# Altium PCB EDA-03518-V3-0_pcb.pcbdoc (part 5 of 14) (continued)
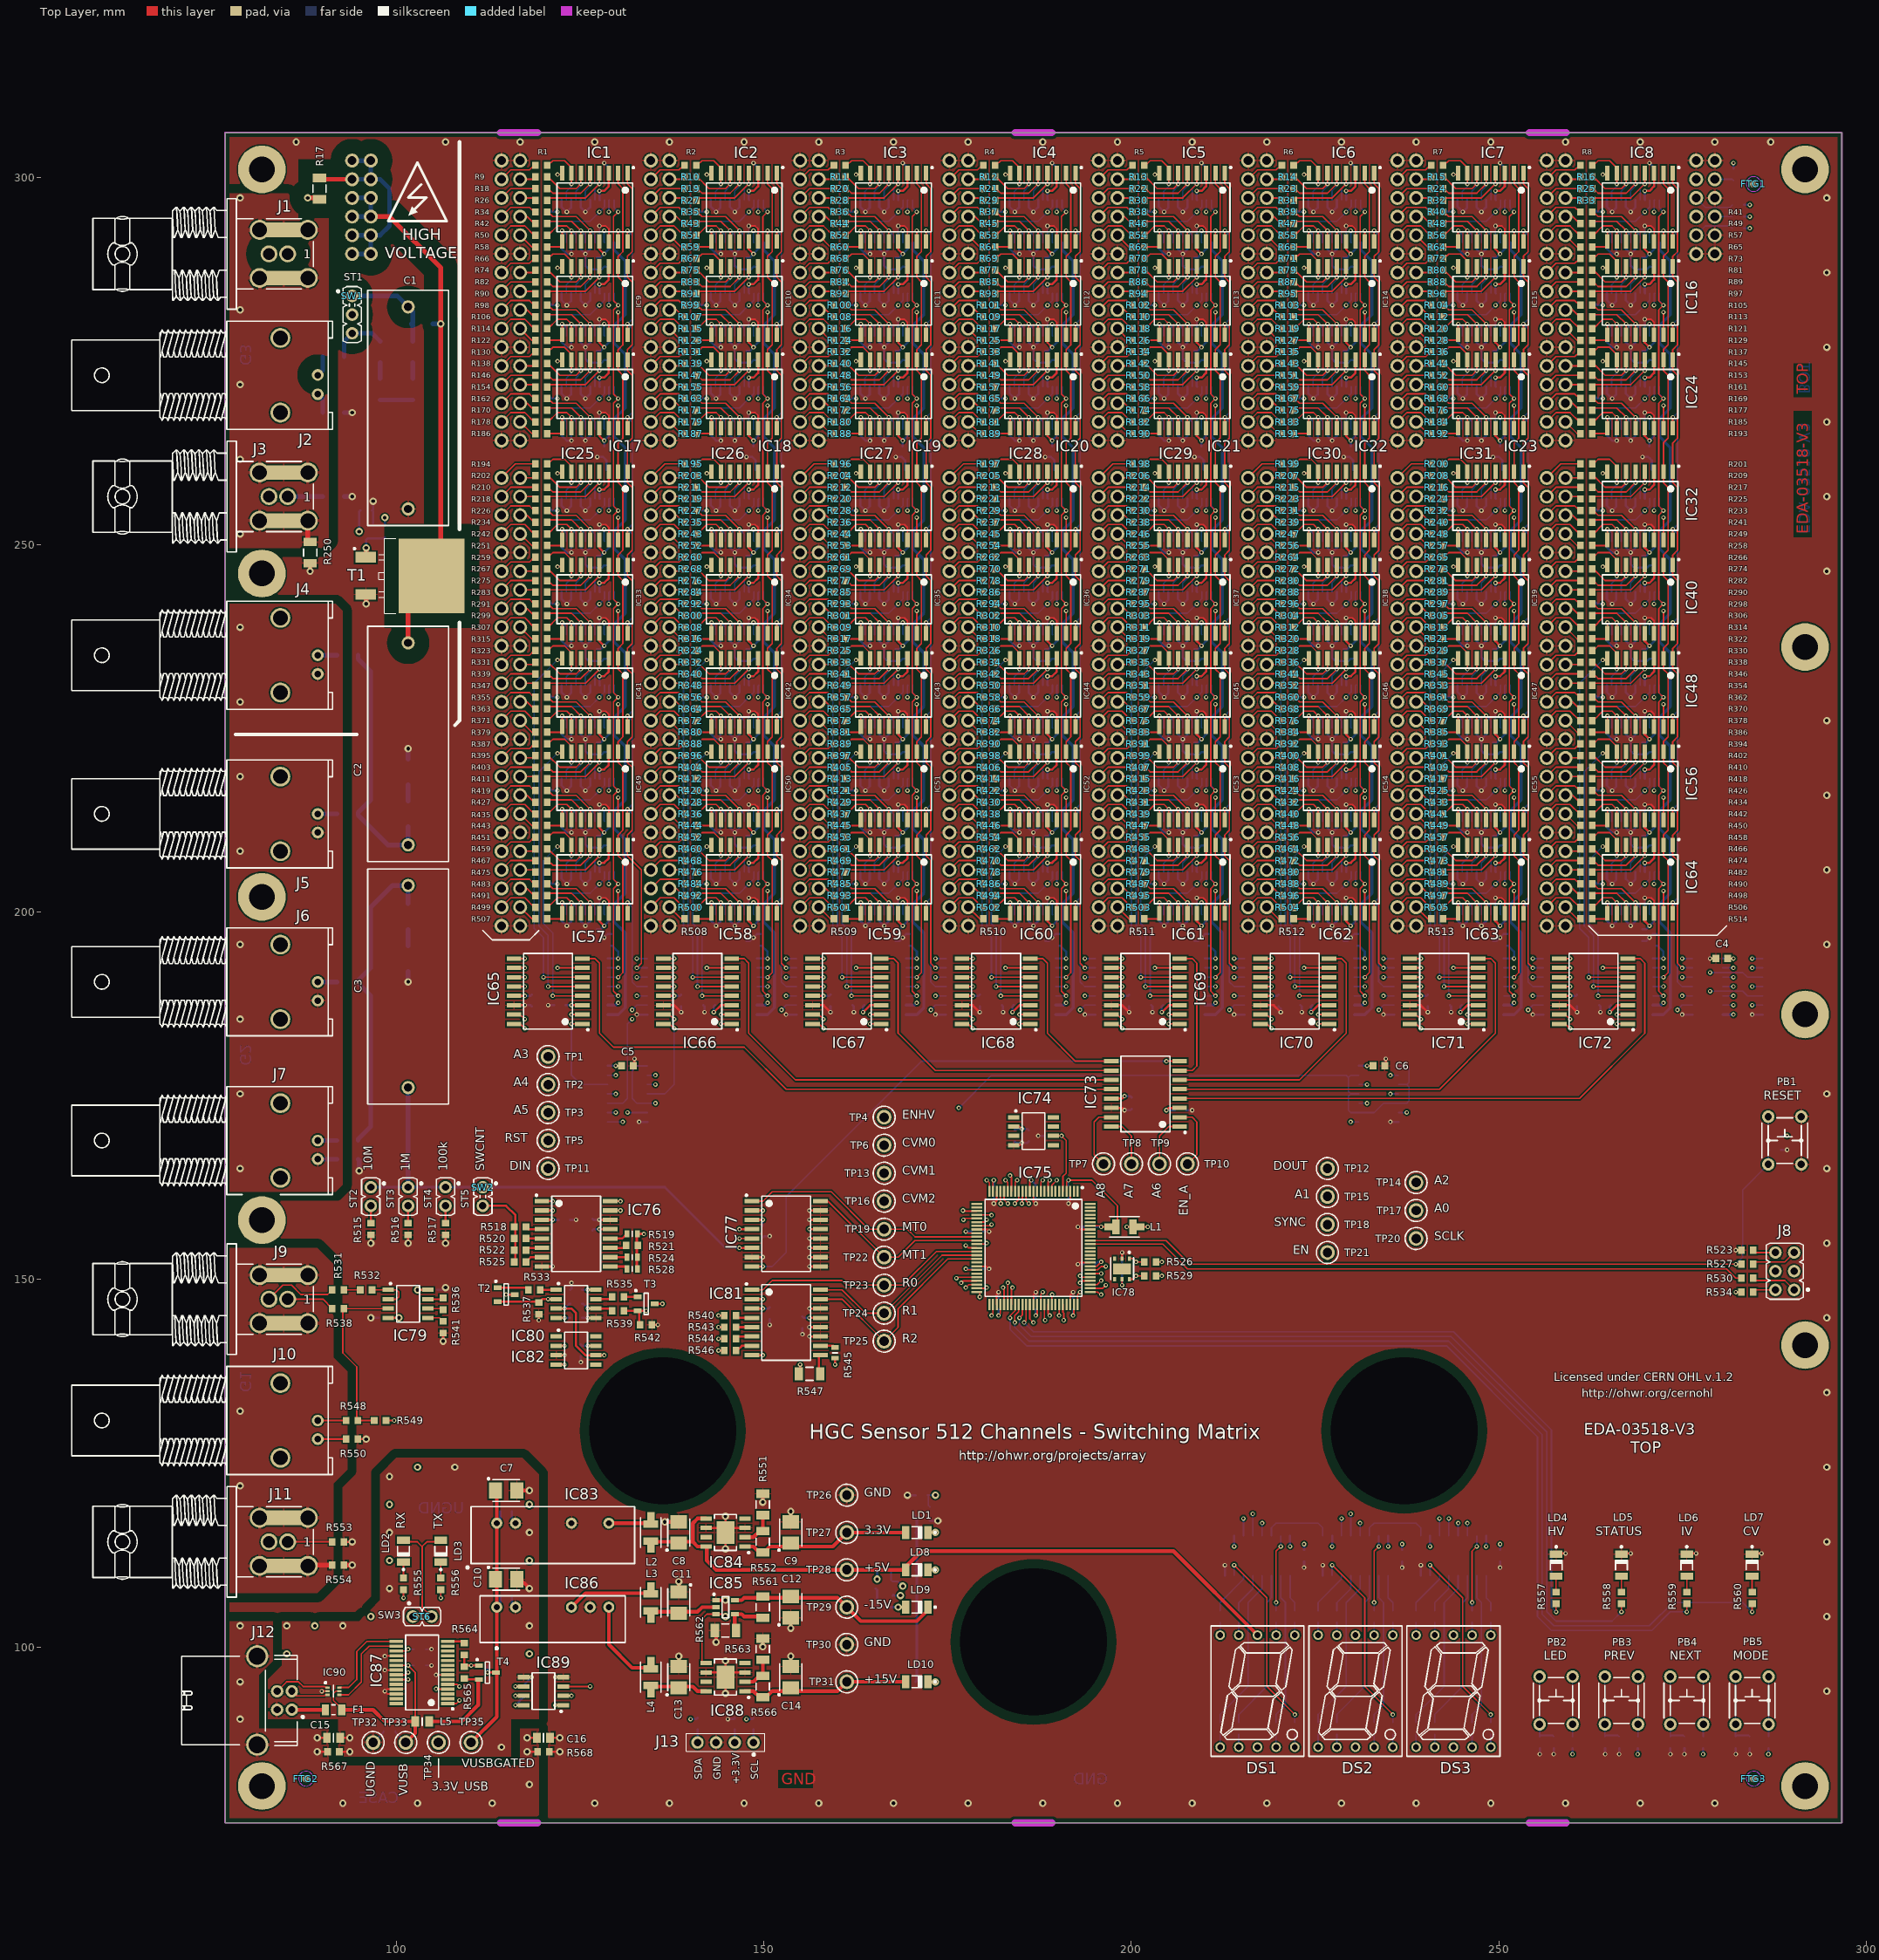
[diagram p0: Top Layer view]
## Nets (pads, with @x,y where several pads share a name; then routed paths per layer and width w, separated by ;. In a path a pad name is that pad's centre, name@x,y a point inside that pad or via, vN(x,y) a via of type N, cw(c..) or ccw(c..) an arc to the next point about the centre after c; other vN are vias at no path point) (continued)
  Bottom Layer w0.203: IC165.10@128.745,173.99 130.81,173.99 131.445,174.625 131.445,184.785 v1(132.08,185.42)
C00_1: J31.3 R507.1 | length 2.7
  Top Layer w0.203: J31.3@116.84,200.66 118.428,199.072 R507.1@118.897,199.072
C00_2: J30.3 R508.1 | length 2.7
  Top Layer w0.203: J30.3@137.16,200.66 138.748,199.072 R508.1@139.217,199.072
C00_3: J29.3 R509.1 | length 2.7
  Top Layer w0.203: J29.3@157.48,200.66 159.068,199.072 R509.1@159.537,199.072
C00_4: J28.3 R510.1 | length 2.7
  Top Layer w0.203: J28.3@177.8,200.66 179.388,199.072 R510.1@179.857,199.072
C00_5: J27.3 R511.1 | length 2.7
  Top Layer w0.203: J27.3@198.12,200.66 199.708,199.072 R511.1@200.177,199.072
C00_6: J26.3 R512.1 | length 2.7
  Top Layer w0.203: J26.3@218.44,200.66 220.028,199.072 R512.1@220.497,199.072
C00_7: J25.3 R513.1 | length 2.7
  Top Layer w0.203: J25.3@238.76,200.66 240.348,199.072 R513.1@240.817,199.072
C00_8: J24.3 R514.1 | length 2.7
  Top Layer w0.203: J24.3@259.08,200.66 260.668,199.072 R514.1@261.137,199.072
C01_1: J31.4 R499.1 | length 5.6
  Top Layer w0.203: J31.4@114.3,200.66 115.57,201.93 117.475,201.93 118.745,200.66 R499.1@118.897,200.66
C01_2: J30.4 R500.1 | length 5.6
  Top Layer w0.203: J30.4@134.62,200.66 135.89,201.93 137.795,201.93 139.065,200.66 R500.1@139.217,200.66
C01_3: J29.4 R501.1 | length 5.6
  Top Layer w0.203: J29.4@154.94,200.66 156.21,201.93 158.115,201.93 159.385,200.66 R501.1@159.537,200.66
C01_4: J28.4 R502.1 | length 5.6
  Top Layer w0.203: J28.4@175.26,200.66 176.53,201.93 178.435,201.93 179.705,200.66 R502.1@179.857,200.66
C01_5: J27.4 R503.1 | length 5.6
  Top Layer w0.203: J27.4@195.58,200.66 196.85,201.93 198.755,201.93 200.025,200.66 R503.1@200.177,200.66
C01_6: J26.4 R504.1 | length 5.6
  Top Layer w0.203: J26.4@215.9,200.66 217.17,201.93 219.075,201.93 220.345,200.66 R504.1@220.497,200.66
C01_7: J25.4 R505.1 | length 5.6
  Top Layer w0.203: J25.4@236.22,200.66 237.49,201.93 239.395,201.93 240.665,200.66 R505.1@240.817,200.66
C01_8: J24.4 R506.1 | length 5.6
  Top Layer w0.203: J24.4@256.54,200.66 257.81,201.93 259.715,201.93 260.985,200.66 R506.1@261.137,200.66
C02_1: J31.5 R491.1 | length 2.5
  Top Layer w0.203: J31.5@116.84,203.2 117.792,203.2 118.745,202.248 R491.1@118.897,202.248
C02_2: J30.5 R492.1 | length 2.5
  Top Layer w0.203: J30.5@137.16,203.2 138.112,203.2 139.065,202.248 R492.1@139.217,202.248
C02_3: J29.5 R493.1 | length 2.5
  Top Layer w0.203: J29.5@157.48,203.2 158.432,203.2 159.385,202.248 R493.1@159.537,202.248
C02_4: J28.5 R494.1 | length 2.5
  Top Layer w0.203: J28.5@177.8,203.2 178.752,203.2 179.705,202.248 R494.1@179.857,202.248
C02_5: J27.5 R495.1 | length 2.5
  Top Layer w0.203: J27.5@198.12,203.2 199.072,203.2 200.025,202.248 R495.1@200.177,202.248
C02_6: J26.5 R496.1 | length 2.5
  Top Layer w0.203: J26.5@218.44,203.2 219.392,203.2 220.345,202.248 R496.1@220.497,202.248
C02_7: J25.5 R497.1 | length 2.5
  Top Layer w0.203: J25.5@238.76,203.2 239.712,203.2 240.665,202.248 R497.1@240.817,202.248
C02_8: J24.5 R498.1 | length 2.5
  Top Layer w0.203: J24.5@259.08,203.2 260.032,203.2 260.985,202.248 R498.1@261.137,202.248
C03_1: J31.6 R483.1 | length 5.4
  Top Layer w0.203: J31.6@114.3,203.2 115.57,204.47 118.11,204.47 118.745,203.835 R483.1@118.897,203.835
C03_2: J30.6 R484.1 | length 5.4
  Top Layer w0.203: J30.6@134.62,203.2 135.89,204.47 138.43,204.47 139.065,203.835 R484.1@139.217,203.835
C03_3: J29.6 R485.1 | length 5.4
  Top Layer w0.203: J29.6@154.94,203.2 156.21,204.47 158.75,204.47 159.385,203.835 R485.1@159.537,203.835
C03_4: J28.6 R486.1 | length 5.4
  Top Layer w0.203: J28.6@175.26,203.2 176.53,204.47 179.07,204.47 179.705,203.835 R486.1@179.857,203.835
C03_5: J27.6 R487.1 | length 5.4
  Top Layer w0.203: J27.6@195.58,203.2 196.85,204.47 199.39,204.47 200.025,203.835 R487.1@200.177,203.835
C03_6: J26.6 R488.1 | length 5.4
  Top Layer w0.203: J26.6@215.9,203.2 217.17,204.47 219.71,204.47 220.345,203.835 R488.1@220.497,203.835
C03_7: J25.6 R489.1 | length 5.4
  Top Layer w0.203: J25.6@236.22,203.2 237.49,204.47 240.03,204.47 240.665,203.835 R489.1@240.817,203.835
C03_8: J24.6 R490.1 | length 5.4
  Top Layer w0.203: J24.6@256.54,203.2 257.81,204.47 260.35,204.47 260.985,203.835 R490.1@261.137,203.835
C04_1: J31.7 R475.1 | length 2.2
  Top Layer w0.203: J31.7@116.84,205.74 118.58,205.74 R475.1@118.897,205.422
C04_2: J30.7 R476.1 | length 2.2
  Top Layer w0.203: J30.7@137.16,205.74 138.9,205.74 R476.1@139.217,205.422
C04_3: J29.7 R477.1 | length 2.2
  Top Layer w0.203: J29.7@157.48,205.74 159.22,205.74 R477.1@159.537,205.422
C04_4: J28.7 R478.1 | length 2.2
  Top Layer w0.203: J28.7@177.8,205.74 179.54,205.74 R478.1@179.857,205.422
C04_5: J27.7 R479.1 | length 2.2
  Top Layer w0.203: J27.7@198.12,205.74 199.86,205.74 R479.1@200.177,205.422
C04_6: J26.7 R480.1 | length 2.2
  Top Layer w0.203: J26.7@218.44,205.74 220.18,205.74 R480.1@220.497,205.422
C04_7: J25.7 R481.1 | length 2.2
  Top Layer w0.203: J25.7@238.76,205.74 240.5,205.74 R481.1@240.817,205.422
C04_8: J24.7 R482.1 | length 2.2
  Top Layer w0.203: J24.7@259.08,205.74 260.82,205.74 R482.1@261.137,205.422
C05_1: J31.8 R467.1 | length 5.1
  Top Layer w0.203: J31.8@114.3,205.74 115.57,207.01 R467.1@118.897,207.01
C05_2: J30.8 R468.1 | length 5.1
  Top Layer w0.203: J30.8@134.62,205.74 135.89,207.01 R468.1@139.217,207.01
C05_3: J29.8 R469.1 | length 5.1
  Top Layer w0.203: J29.8@154.94,205.74 156.21,207.01 R469.1@159.537,207.01
C05_4: J28.8 R470.1 | length 5.1
  Top Layer w0.203: J28.8@175.26,205.74 176.53,207.01 R470.1@179.857,207.01
C05_5: J27.8 R471.1 | length 5.1
  Top Layer w0.203: J27.8@195.58,205.74 196.85,207.01 R471.1@200.177,207.01
C05_6: J26.8 R472.1 | length 5.1
  Top Layer w0.203: J26.8@215.9,205.74 217.17,207.01 R472.1@220.497,207.01
C05_7: J25.8 R473.1 | length 5.1
  Top Layer w0.203: J25.8@236.22,205.74 237.49,207.01 R473.1@240.817,207.01
C05_8: J24.8 R474.1 | length 5.1
  Top Layer w0.203: J24.8@256.54,205.74 257.81,207.01 R474.1@261.137,207.01
C06_1: J31.9 R459.1 | length 2.2
  Top Layer w0.203: J31.9@116.84,208.28 118.58,208.28 R459.1@118.897,208.597
C06_2: J30.9 R460.1 | length 2.2
  Top Layer w0.203: J30.9@137.16,208.28 138.9,208.28 R460.1@139.217,208.597
C06_3: J29.9 R461.1 | length 2.2
  Top Layer w0.203: J29.9@157.48,208.28 159.22,208.28 R461.1@159.537,208.597
C06_4: J28.9 R462.1 | length 2.2
  Top Layer w0.203: J28.9@177.8,208.28 179.54,208.28 R462.1@179.857,208.597
C06_5: J27.9 R463.1 | length 2.2
  Top Layer w0.203: J27.9@198.12,208.28 199.86,208.28 R463.1@200.177,208.597
C06_6: J26.9 R464.1 | length 2.2
  Top Layer w0.203: J26.9@218.44,208.28 220.18,208.28 R464.1@220.497,208.597
C06_7: J25.9 R465.1 | length 2.2
  Top Layer w0.203: J25.9@238.76,208.28 240.5,208.28 R465.1@240.817,208.597
C06_8: J24.9 R466.1 | length 2.2
  Top Layer w0.203: J24.9@259.08,208.28 260.82,208.28 R466.1@261.137,208.597
C07_1: J31.10 R451.1 | length 5.4
  Top Layer w0.203: J31.10@114.3,208.28 115.57,209.55 118.11,209.55 118.745,210.185 R451.1@118.897,210.185
C07_2: J30.10 R452.1 | length 5.4
  Top Layer w0.203: J30.10@134.62,208.28 135.89,209.55 138.43,209.55 139.065,210.185 R452.1@139.217,210.185
C07_3: J29.10 R453.1 | length 5.4
  Top Layer w0.203: J29.10@154.94,208.28 156.21,209.55 158.75,209.55 159.385,210.185 R453.1@159.537,210.185
C07_4: J28.10 R454.1 | length 5.4
  Top Layer w0.203: J28.10@175.26,208.28 176.53,209.55 179.07,209.55 179.705,210.185 R454.1@179.857,210.185
C07_5: J27.10 R455.1 | length 5.4
  Top Layer w0.203: J27.10@195.58,208.28 196.85,209.55 199.39,209.55 200.025,210.185 R455.1@200.177,210.185
C07_6: J26.10 R456.1 | length 5.4
  Top Layer w0.203: J26.10@215.9,208.28 217.17,209.55 219.71,209.55 220.345,210.185 R456.1@220.497,210.185
C07_7: J25.10 R457.1 | length 5.4
  Top Layer w0.203: J25.10@236.22,208.28 237.49,209.55 240.03,209.55 240.665,210.185 R457.1@240.817,210.185
C07_8: J24.10 R458.1 | length 5.4
  Top Layer w0.203: J24.10@256.54,208.28 257.81,209.55 260.35,209.55 260.985,210.185 R458.1@261.137,210.185
C10_1: J31.13 R443.1 | length 2.7
  Top Layer w0.203: J31.13@116.84,213.36 118.428,211.772 R443.1@118.897,211.772
C10_2: J30.13 R444.1 | length 2.7
  Top Layer w0.203: J30.13@137.16,213.36 138.748,211.772 R444.1@139.217,211.772
C10_3: J29.13 R445.1 | length 2.7
  Top Layer w0.203: J29.13@157.48,213.36 159.068,211.772 R445.1@159.537,211.772
C10_4: J28.13 R446.1 | length 2.7
  Top Layer w0.203: J28.13@177.8,213.36 179.388,211.772 R446.1@179.857,211.772
C10_5: J27.13 R447.1 | length 2.7
  Top Layer w0.203: J27.13@198.12,213.36 199.708,211.772 R447.1@200.177,211.772
C10_6: J26.13 R448.1 | length 2.7
  Top Layer w0.203: J26.13@218.44,213.36 220.028,211.772 R448.1@220.497,211.772
C10_7: J25.13 R449.1 | length 2.7
  Top Layer w0.203: J25.13@238.76,213.36 240.348,211.772 R449.1@240.817,211.772
C10_8: J24.13 R450.1 | length 2.7
  Top Layer w0.203: J24.13@259.08,213.36 260.668,211.772 R450.1@261.137,211.772
C11_1: J31.14 R435.1 | length 5.6
  Top Layer w0.203: J31.14@114.3,213.36 115.57,214.63 117.475,214.63 118.745,213.36 R435.1@118.897,213.36
C11_2: J30.14 R436.1 | length 5.6
  Top Layer w0.203: J30.14@134.62,213.36 135.89,214.63 137.795,214.63 139.065,213.36 R436.1@139.217,213.36
C11_3: J29.14 R437.1 | length 5.6
  Top Layer w0.203: J29.14@154.94,213.36 156.21,214.63 158.115,214.63 159.385,213.36 R437.1@159.537,213.36
C11_4: J28.14 R438.1 | length 5.6
  Top Layer w0.203: J28.14@175.26,213.36 176.53,214.63 178.435,214.63 179.705,213.36 R438.1@179.857,213.36
C11_5: J27.14 R439.1 | length 5.6
  Top Layer w0.203: J27.14@195.58,213.36 196.85,214.63 198.755,214.63 200.025,213.36 R439.1@200.177,213.36
C11_6: J26.14 R440.1 | length 5.6
  Top Layer w0.203: J26.14@215.9,213.36 217.17,214.63 219.075,214.63 220.345,213.36 R440.1@220.497,213.36
C11_7: J25.14 R441.1 | length 5.6
  Top Layer w0.203: J25.14@236.22,213.36 237.49,214.63 239.395,214.63 240.665,213.36 R441.1@240.817,213.36
C11_8: J24.14 R442.1 | length 5.6
  Top Layer w0.203: J24.14@256.54,213.36 257.81,214.63 259.715,214.63 260.985,213.36 R442.1@261.137,213.36
C12_1: J31.15 R427.1 | length 2.5
  Top Layer w0.203: J31.15@116.84,215.9 117.792,215.9 118.745,214.947 R427.1@118.897,214.947
C12_2: J30.15 R428.1 | length 2.5
  Top Layer w0.203: J30.15@137.16,215.9 138.112,215.9 139.065,214.947 R428.1@139.217,214.947
C12_3: J29.15 R429.1 | length 2.5
  Top Layer w0.203: J29.15@157.48,215.9 158.432,215.9 159.385,214.947 R429.1@159.537,214.947
C12_4: J28.15 R430.1 | length 2.5
  Top Layer w0.203: J28.15@177.8,215.9 178.752,215.9 179.705,214.947 R430.1@179.857,214.947
C12_5: J27.15 R431.1 | length 2.5
  Top Layer w0.203: J27.15@198.12,215.9 199.072,215.9 200.025,214.947 R431.1@200.177,214.947
C12_6: J26.15 R432.1 | length 2.5
  Top Layer w0.203: J26.15@218.44,215.9 219.392,215.9 220.345,214.947 R432.1@220.497,214.947
C12_7: J25.15 R433.1 | length 2.5
  Top Layer w0.203: J25.15@238.76,215.9 239.712,215.9 240.665,214.947 R433.1@240.817,214.947
C12_8: J24.15 R434.1 | length 2.5
  Top Layer w0.203: J24.15@259.08,215.9 260.032,215.9 260.985,214.947 R434.1@261.137,214.947
C13_1: J31.16 R419.1 | length 5.4
  Top Layer w0.203: J31.16@114.3,215.9 115.57,217.17 118.11,217.17 118.745,216.535 R419.1@118.897,216.535
C13_2: J30.16 R420.1 | length 5.4
  Top Layer w0.203: J30.16@134.62,215.9 135.89,217.17 138.43,217.17 139.065,216.535 R420.1@139.217,216.535
C13_3: J29.16 R421.1 | length 5.4
  Top Layer w0.203: J29.16@154.94,215.9 156.21,217.17 158.75,217.17 159.385,216.535 R421.1@159.537,216.535
C13_4: J28.16 R422.1 | length 5.4
  Top Layer w0.203: J28.16@175.26,215.9 176.53,217.17 179.07,217.17 179.705,216.535 R422.1@179.857,216.535
C13_5: J27.16 R423.1 | length 5.4
  Top Layer w0.203: J27.16@195.58,215.9 196.85,217.17 199.39,217.17 200.025,216.535 R423.1@200.177,216.535
C13_6: J26.16 R424.1 | length 5.4
  Top Layer w0.203: J26.16@215.9,215.9 217.17,217.17 219.71,217.17 220.345,216.535 R424.1@220.497,216.535
C13_7: J25.16 R425.1 | length 5.4
  Top Layer w0.203: J25.16@236.22,215.9 237.49,217.17 240.03,217.17 240.665,216.535 R425.1@240.817,216.535
C13_8: J24.16 R426.1 | length 5.4
  Top Layer w0.203: J24.16@256.54,215.9 257.81,217.17 260.35,217.17 260.985,216.535 R426.1@261.137,216.535
C14_1: J31.17 R411.1 | length 2.2
  Top Layer w0.203: J31.17@116.84,218.44 118.58,218.44 R411.1@118.897,218.123
C14_2: J30.17 R412.1 | length 2.2
  Top Layer w0.203: J30.17@137.16,218.44 138.9,218.44 R412.1@139.217,218.123
C14_3: J29.17 R413.1 | length 2.2
  Top Layer w0.203: J29.17@157.48,218.44 159.22,218.44 R413.1@159.537,218.123
C14_4: J28.17 R414.1 | length 2.2
  Top Layer w0.203: J28.17@177.8,218.44 179.54,218.44 R414.1@179.857,218.123
C14_5: J27.17 R415.1 | length 2.2
  Top Layer w0.203: J27.17@198.12,218.44 199.86,218.44 R415.1@200.177,218.123
C14_6: J26.17 R416.1 | length 2.2
  Top Layer w0.203: J26.17@218.44,218.44 220.18,218.44 R416.1@220.497,218.123
C14_7: J25.17 R417.1 | length 2.2
  Top Layer w0.203: J25.17@238.76,218.44 240.5,218.44 R417.1@240.817,218.123
C14_8: J24.17 R418.1 | length 2.2
  Top Layer w0.203: J24.17@259.08,218.44 260.82,218.44 R418.1@261.137,218.123
C15_1: J31.18 R403.1 | length 5.1
  Top Layer w0.203: J31.18@114.3,218.44 115.57,219.71 R403.1@118.897,219.71
C15_2: J30.18 R404.1 | length 5.1
  Top Layer w0.203: J30.18@134.62,218.44 135.89,219.71 R404.1@139.217,219.71
C15_3: J29.18 R405.1 | length 5.1
  Top Layer w0.203: J29.18@154.94,218.44 156.21,219.71 R405.1@159.537,219.71
C15_4: J28.18 R406.1 | length 5.1
  Top Layer w0.203: J28.18@175.26,218.44 176.53,219.71 R406.1@179.857,219.71
C15_5: J27.18 R407.1 | length 5.1
  Top Layer w0.203: J27.18@195.58,218.44 196.85,219.71 R407.1@200.177,219.71
C15_6: J26.18 R408.1 | length 5.1
  Top Layer w0.203: J26.18@215.9,218.44 217.17,219.71 R408.1@220.497,219.71
C15_7: J25.18 R409.1 | length 5.1
  Top Layer w0.203: J25.18@236.22,218.44 237.49,219.71 R409.1@240.817,219.71
C15_8: J24.18 R410.1 | length 5.1
  Top Layer w0.203: J24.18@256.54,218.44 257.81,219.71 R410.1@261.137,219.71
C16_1: J31.19 R395.1 | length 2.2
  Top Layer w0.203: J31.19@116.84,220.98 118.58,220.98 R395.1@118.897,221.297
C16_2: J30.19 R396.1 | length 2.2
  Top Layer w0.203: J30.19@137.16,220.98 138.9,220.98 R396.1@139.217,221.297
C16_3: J29.19 R397.1 | length 2.2
  Top Layer w0.203: J29.19@157.48,220.98 159.22,220.98 R397.1@159.537,221.297
C16_4: J28.19 R398.1 | length 2.2
  Top Layer w0.203: J28.19@177.8,220.98 179.54,220.98 R398.1@179.857,221.297
C16_5: J27.19 R399.1 | length 2.2
  Top Layer w0.203: J27.19@198.12,220.98 199.86,220.98 R399.1@200.177,221.297
C16_6: J26.19 R400.1 | length 2.2
  Top Layer w0.203: J26.19@218.44,220.98 220.18,220.98 R400.1@220.497,221.297
C16_7: J25.19 R401.1 | length 2.2
  Top Layer w0.203: J25.19@238.76,220.98 240.5,220.98 R401.1@240.817,221.297
C16_8: J24.19 R402.1 | length 2.2
  Top Layer w0.203: J24.19@259.08,220.98 260.82,220.98 R402.1@261.137,221.297
C17_1: J31.20 R387.1 | length 5.4
  Top Layer w0.203: J31.20@114.3,220.98 115.57,222.25 118.11,222.25 118.745,222.885 R387.1@118.897,222.885
C17_2: J30.20 R388.1 | length 5.4
  Top Layer w0.203: J30.20@134.62,220.98 135.89,222.25 138.43,222.25 139.065,222.885 R388.1@139.217,222.885
C17_3: J29.20 R389.1 | length 5.4
  Top Layer w0.203: J29.20@154.94,220.98 156.21,222.25 158.75,222.25 159.385,222.885 R389.1@159.537,222.885
C17_4: J28.20 R390.1 | length 5.4
  Top Layer w0.203: J28.20@175.26,220.98 176.53,222.25 179.07,222.25 179.705,222.885 R390.1@179.857,222.885
C17_5: J27.20 R391.1 | length 5.4
  Top Layer w0.203: J27.20@195.58,220.98 196.85,222.25 199.39,222.25 200.025,222.885 R391.1@200.177,222.885
C17_6: J26.20 R392.1 | length 5.4
  Top Layer w0.203: J26.20@215.9,220.98 217.17,222.25 219.71,222.25 220.345,222.885 R392.1@220.497,222.885
C17_7: J25.20 R393.1 | length 5.4
  Top Layer w0.203: J25.20@236.22,220.98 237.49,222.25 240.03,222.25 240.665,222.885 R393.1@240.817,222.885
C17_8: J24.20 R394.1 | length 5.4
  Top Layer w0.203: J24.20@256.54,220.98 257.81,222.25 260.35,222.25 260.985,222.885 R394.1@261.137,222.885
C20_1: J31.23 R379.1 | length 2.7
  Top Layer w0.203: J31.23@116.84,226.06 118.428,224.472 R379.1@118.897,224.472
C20_2: J30.23 R380.1 | length 2.7
  Top Layer w0.203: J30.23@137.16,226.06 138.748,224.472 R380.1@139.217,224.472
C20_3: J29.23 R381.1 | length 2.7
  Top Layer w0.203: J29.23@157.48,226.06 159.068,224.472 R381.1@159.537,224.472
C20_4: J28.23 R382.1 | length 2.7
  Top Layer w0.203: J28.23@177.8,226.06 179.388,224.472 R382.1@179.857,224.472
C20_5: J27.23 R383.1 | length 2.7
  Top Layer w0.203: J27.23@198.12,226.06 199.708,224.472 R383.1@200.177,224.472
C20_6: J26.23 R384.1 | length 2.7
  Top Layer w0.203: J26.23@218.44,226.06 220.028,224.472 R384.1@220.497,224.472
C20_7: J25.23 R385.1 | length 2.7
  Top Layer w0.203: J25.23@238.76,226.06 240.348,224.472 R385.1@240.817,224.472
C20_8: J24.23 R386.1 | length 2.7
  Top Layer w0.203: J24.23@259.08,226.06 260.668,224.472 R386.1@261.137,224.472
C21_1: J31.24 R371.1 | length 5.6
  Top Layer w0.203: J31.24@114.3,226.06 115.57,227.33 117.475,227.33 118.745,226.06 R371.1@118.897,226.06
C21_2: J30.24 R372.1 | length 5.6
  Top Layer w0.203: J30.24@134.62,226.06 135.89,227.33 137.795,227.33 139.065,226.06 R372.1@139.217,226.06
C21_3: J29.24 R373.1 | length 5.6
  Top Layer w0.203: J29.24@154.94,226.06 156.21,227.33 158.115,227.33 159.385,226.06 R373.1@159.537,226.06
C21_4: J28.24 R374.1 | length 5.6
  Top Layer w0.203: J28.24@175.26,226.06 176.53,227.33 178.435,227.33 179.705,226.06 R374.1@179.857,226.06
C21_5: J27.24 R375.1 | length 5.6
  Top Layer w0.203: J27.24@195.58,226.06 196.85,227.33 198.755,227.33 200.025,226.06 R375.1@200.177,226.06
C21_6: J26.24 R376.1 | length 5.6
  Top Layer w0.203: J26.24@215.9,226.06 217.17,227.33 219.075,227.33 220.345,226.06 R376.1@220.497,226.06
C21_7: J25.24 R377.1 | length 5.6
  Top Layer w0.203: J25.24@236.22,226.06 237.49,227.33 239.395,227.33 240.665,226.06 R377.1@240.817,226.06
C21_8: J24.24 R378.1 | length 5.6
  Top Layer w0.203: J24.24@256.54,226.06 257.81,227.33 259.715,227.33 260.985,226.06 R378.1@261.137,226.06
C22_1: J31.25 R363.1 | length 2.5
  Top Layer w0.203: J31.25@116.84,228.6 117.792,228.6 118.745,227.647 R363.1@118.897,227.647
C22_2: J30.25 R364.1 | length 2.5
  Top Layer w0.203: J30.25@137.16,228.6 138.112,228.6 139.065,227.647 R364.1@139.217,227.647
C22_3: J29.25 R365.1 | length 2.5
  Top Layer w0.203: J29.25@157.48,228.6 158.432,228.6 159.385,227.647 R365.1@159.537,227.647
C22_4: J28.25 R366.1 | length 2.5
  Top Layer w0.203: J28.25@177.8,228.6 178.752,228.6 179.705,227.647 R366.1@179.857,227.647
C22_5: J27.25 R367.1 | length 2.5
  Top Layer w0.203: J27.25@198.12,228.6 199.072,228.6 200.025,227.647 R367.1@200.177,227.647
C22_6: J26.25 R368.1 | length 2.5
  Top Layer w0.203: J26.25@218.44,228.6 219.392,228.6 220.345,227.647 R368.1@220.497,227.647
C22_7: J25.25 R369.1 | length 2.5
  Top Layer w0.203: J25.25@238.76,228.6 239.712,228.6 240.665,227.647 R369.1@240.817,227.647
C22_8: J24.25 R370.1 | length 2.5
  Top Layer w0.203: J24.25@259.08,228.6 260.032,228.6 260.985,227.647 R370.1@261.137,227.647
C23_1: J31.26 R355.1 | length 5.4
  Top Layer w0.203: J31.26@114.3,228.6 115.57,229.87 118.11,229.87 118.745,229.235 R355.1@118.897,229.235
C23_2: J30.26 R356.1 | length 5.4
  Top Layer w0.203: J30.26@134.62,228.6 135.89,229.87 138.43,229.87 139.065,229.235 R356.1@139.217,229.235
C23_3: J29.26 R357.1 | length 5.4
  Top Layer w0.203: J29.26@154.94,228.6 156.21,229.87 158.75,229.87 159.385,229.235 R357.1@159.537,229.235
C23_4: J28.26 R358.1 | length 5.4
  Top Layer w0.203: J28.26@175.26,228.6 176.53,229.87 179.07,229.87 179.705,229.235 R358.1@179.857,229.235
C23_5: J27.26 R359.1 | length 5.4
  Top Layer w0.203: J27.26@195.58,228.6 196.85,229.87 199.39,229.87 200.025,229.235 R359.1@200.177,229.235
C23_6: J26.26 R360.1 | length 5.4
  Top Layer w0.203: J26.26@215.9,228.6 217.17,229.87 219.71,229.87 220.345,229.235 R360.1@220.497,229.235
C23_7: J25.26 R361.1 | length 5.4
  Top Layer w0.203: J25.26@236.22,228.6 237.49,229.87 240.03,229.87 240.665,229.235 R361.1@240.817,229.235
C23_8: J24.26 R362.1 | length 5.4
  Top Layer w0.203: J24.26@256.54,228.6 257.81,229.87 260.35,229.87 260.985,229.235 R362.1@261.137,229.235
C24_1: J31.27 R347.1 | length 2.2
  Top Layer w0.203: J31.27@116.84,231.14 118.58,231.14 R347.1@118.897,230.822
C24_2: J30.27 R348.1 | length 2.2
  Top Layer w0.203: J30.27@137.16,231.14 138.9,231.14 R348.1@139.217,230.822
C24_3: J29.27 R349.1 | length 2.2
  Top Layer w0.203: J29.27@157.48,231.14 159.22,231.14 R349.1@159.537,230.822
C24_4: J28.27 R350.1 | length 2.2
  Top Layer w0.203: J28.27@177.8,231.14 179.54,231.14 R350.1@179.857,230.822
C24_5: J27.27 R351.1 | length 2.2
  Top Layer w0.203: J27.27@198.12,231.14 199.86,231.14 R351.1@200.177,230.822
C24_6: J26.27 R352.1 | length 2.2
  Top Layer w0.203: J26.27@218.44,231.14 220.18,231.14 R352.1@220.497,230.822
C24_7: J25.27 R353.1 | length 2.2
  Top Layer w0.203: J25.27@238.76,231.14 240.5,231.14 R353.1@240.817,230.822
C24_8: J24.27 R354.1 | length 2.2
  Top Layer w0.203: J24.27@259.08,231.14 260.82,231.14 R354.1@261.137,230.822
C25_1: J31.28 R339.1 | length 5.1
  Top Layer w0.203: J31.28@114.3,231.14 115.57,232.41 R339.1@118.897,232.41
C25_2: J30.28 R340.1 | length 5.1
  Top Layer w0.203: J30.28@134.62,231.14 135.89,232.41 R340.1@139.217,232.41
C25_3: J29.28 R341.1 | length 5.1
  Top Layer w0.203: J29.28@154.94,231.14 156.21,232.41 R341.1@159.537,232.41
C25_4: J28.28 R342.1 | length 5.1
  Top Layer w0.203: J28.28@175.26,231.14 176.53,232.41 R342.1@179.857,232.41
C25_5: J27.28 R343.1 | length 5.1
  Top Layer w0.203: J27.28@195.58,231.14 196.85,232.41 R343.1@200.177,232.41
C25_6: J26.28 R344.1 | length 5.1
  Top Layer w0.203: J26.28@215.9,231.14 217.17,232.41 R344.1@220.497,232.41
C25_7: J25.28 R345.1 | length 5.1
  Top Layer w0.203: J25.28@236.22,231.14 237.49,232.41 R345.1@240.817,232.41
C25_8: J24.28 R346.1 | length 5.1
  Top Layer w0.203: J24.28@256.54,231.14 257.81,232.41 R346.1@261.137,232.41
C26_1: J31.29 R331.1 | length 2.2
  Top Layer w0.203: J31.29@116.84,233.68 118.58,233.68 R331.1@118.897,233.998
C26_2: J30.29 R332.1 | length 2.2
  Top Layer w0.203: J30.29@137.16,233.68 138.9,233.68 R332.1@139.217,233.998
C26_3: J29.29 R333.1 | length 2.2
  Top Layer w0.203: J29.29@157.48,233.68 159.22,233.68 R333.1@159.537,233.998
C26_4: J28.29 R334.1 | length 2.2
  Top Layer w0.203: J28.29@177.8,233.68 179.54,233.68 R334.1@179.857,233.998
C26_5: J27.29 R335.1 | length 2.2
  Top Layer w0.203: J27.29@198.12,233.68 199.86,233.68 R335.1@200.177,233.998
C26_6: J26.29 R336.1 | length 2.2
  Top Layer w0.203: J26.29@218.44,233.68 220.18,233.68 R336.1@220.497,233.998
C26_7: J25.29 R337.1 | length 2.2
  Top Layer w0.203: J25.29@238.76,233.68 240.5,233.68 R337.1@240.817,233.998
C26_8: J24.29 R338.1 | length 2.2
  Top Layer w0.203: J24.29@259.08,233.68 260.82,233.68 R338.1@261.137,233.998
C27_1: J31.30 R323.1 | length 5.4
  Top Layer w0.203: J31.30@114.3,233.68 115.57,234.95 118.11,234.95 118.745,235.585 R323.1@118.897,235.585
C27_2: J30.30 R324.1 | length 5.4
  Top Layer w0.203: J30.30@134.62,233.68 135.89,234.95 138.43,234.95 139.065,235.585 R324.1@139.217,235.585
C27_3: J29.30 R325.1 | length 5.4
  Top Layer w0.203: J29.30@154.94,233.68 156.21,234.95 158.75,234.95 159.385,235.585 R325.1@159.537,235.585
C27_4: J28.30 R326.1 | length 5.4
  Top Layer w0.203: J28.30@175.26,233.68 176.53,234.95 179.07,234.95 179.705,235.585 R326.1@179.857,235.585
C27_5: J27.30 R327.1 | length 5.4
  Top Layer w0.203: J27.30@195.58,233.68 196.85,234.95 199.39,234.95 200.025,235.585 R327.1@200.177,235.585
C27_6: J26.30 R328.1 | length 5.4
  Top Layer w0.203: J26.30@215.9,233.68 217.17,234.95 219.71,234.95 220.345,235.585 R328.1@220.497,235.585
C27_7: J25.30 R329.1 | length 5.4
  Top Layer w0.203: J25.30@236.22,233.68 237.49,234.95 240.03,234.95 240.665,235.585 R329.1@240.817,235.585
C27_8: J24.30 R330.1 | length 5.4
  Top Layer w0.203: J24.30@256.54,233.68 257.81,234.95 260.35,234.95 260.985,235.585 R330.1@261.137,235.585
C30_1: J31.33 R315.1 | length 2.7
  Top Layer w0.203: J31.33@116.84,238.76 118.428,237.172 R315.1@118.897,237.172
C30_2: J30.33 R316.1 | length 2.7
  Top Layer w0.203: J30.33@137.16,238.76 138.748,237.172 R316.1@139.217,237.172
C30_3: J29.33 R317.1 | length 2.7
  Top Layer w0.203: J29.33@157.48,238.76 159.068,237.172 R317.1@159.537,237.172
C30_4: J28.33 R318.1 | length 2.7
  Top Layer w0.203: J28.33@177.8,238.76 179.388,237.172 R318.1@179.857,237.172
C30_5: J27.33 R319.1 | length 2.7
  Top Layer w0.203: J27.33@198.12,238.76 199.708,237.172 R319.1@200.177,237.172
C30_6: J26.33 R320.1 | length 2.7
  Top Layer w0.203: J26.33@218.44,238.76 220.028,237.172 R320.1@220.497,237.172
C30_7: J25.33 R321.1 | length 2.7
  Top Layer w0.203: J25.33@238.76,238.76 240.348,237.172 R321.1@240.817,237.172
C30_8: J24.33 R322.1 | length 2.7
  Top Layer w0.203: J24.33@259.08,238.76 260.668,237.172 R322.1@261.137,237.172
C31_1: J31.34 R307.1 | length 5.6
  Top Layer w0.203: J31.34@114.3,238.76 115.57,240.03 117.475,240.03 118.745,238.76 R307.1@118.897,238.76
C31_2: J30.34 R308.1 | length 5.6
  Top Layer w0.203: J30.34@134.62,238.76 135.89,240.03 137.795,240.03 139.065,238.76 R308.1@139.217,238.76
C31_3: J29.34 R309.1 | length 5.6
  Top Layer w0.203: J29.34@154.94,238.76 156.21,240.03 158.115,240.03 159.385,238.76 R309.1@159.537,238.76
C31_4: J28.34 R310.1 | length 5.6
  Top Layer w0.203: J28.34@175.26,238.76 176.53,240.03 178.435,240.03 179.705,238.76 R310.1@179.857,238.76
C31_5: J27.34 R311.1 | length 5.6
  Top Layer w0.203: J27.34@195.58,238.76 196.85,240.03 198.755,240.03 200.025,238.76 R311.1@200.177,238.76
C31_6: J26.34 R312.1 | length 5.6
  Top Layer w0.203: J26.34@215.9,238.76 217.17,240.03 219.075,240.03 220.345,238.76 R312.1@220.497,238.76
C31_7: J25.34 R313.1 | length 5.6
  Top Layer w0.203: J25.34@236.22,238.76 237.49,240.03 239.395,240.03 240.665,238.76 R313.1@240.817,238.76
C31_8: J24.34 R314.1 | length 5.6
  Top Layer w0.203: J24.34@256.54,238.76 257.81,240.03 259.715,240.03 260.985,238.76 R314.1@261.137,238.76
C32_1: J31.35 R299.1 | length 2.5
  Top Layer w0.203: J31.35@116.84,241.3 117.792,241.3 118.745,240.347 R299.1@118.897,240.347
C32_2: J30.35 R300.1 | length 2.5
  Top Layer w0.203: J30.35@137.16,241.3 138.112,241.3 139.065,240.347 R300.1@139.217,240.347
C32_3: J29.35 R301.1 | length 2.5
  Top Layer w0.203: J29.35@157.48,241.3 158.432,241.3 159.385,240.347 R301.1@159.537,240.347
C32_4: J28.35 R302.1 | length 2.5
  Top Layer w0.203: J28.35@177.8,241.3 178.752,241.3 179.705,240.347 R302.1@179.857,240.347
C32_5: J27.35 R303.1 | length 2.5
  Top Layer w0.203: J27.35@198.12,241.3 199.072,241.3 200.025,240.347 R303.1@200.177,240.347
C32_6: J26.35 R304.1 | length 2.5
  Top Layer w0.203: J26.35@218.44,241.3 219.392,241.3 220.345,240.347 R304.1@220.497,240.347
C32_7: J25.35 R305.1 | length 2.5
  Top Layer w0.203: J25.35@238.76,241.3 239.712,241.3 240.665,240.347 R305.1@240.817,240.347
C32_8: J24.35 R306.1 | length 2.5
  Top Layer w0.203: J24.35@259.08,241.3 260.032,241.3 260.985,240.347 R306.1@261.137,240.347
C33_1: J31.36 R291.1 | length 5.4
  Top Layer w0.203: J31.36@114.3,241.3 115.57,242.57 118.11,242.57 118.745,241.935 R291.1@118.897,241.935
C33_2: J30.36 R292.1 | length 5.4
  Top Layer w0.203: J30.36@134.62,241.3 135.89,242.57 138.43,242.57 139.065,241.935 R292.1@139.217,241.935
C33_3: J29.36 R293.1 | length 5.4
  Top Layer w0.203: J29.36@154.94,241.3 156.21,242.57 158.75,242.57 159.385,241.935 R293.1@159.537,241.935
C33_4: J28.36 R294.1 | length 5.4
  Top Layer w0.203: J28.36@175.26,241.3 176.53,242.57 179.07,242.57 179.705,241.935 R294.1@179.857,241.935
C33_5: J27.36 R295.1 | length 5.4
  Top Layer w0.203: J27.36@195.58,241.3 196.85,242.57 199.39,242.57 200.025,241.935 R295.1@200.177,241.935
C33_6: J26.36 R296.1 | length 5.4
  Top Layer w0.203: J26.36@215.9,241.3 217.17,242.57 219.71,242.57 220.345,241.935 R296.1@220.497,241.935
C33_7: J25.36 R297.1 | length 5.4
  Top Layer w0.203: J25.36@236.22,241.3 237.49,242.57 240.03,242.57 240.665,241.935 R297.1@240.817,241.935
C33_8: J24.36 R298.1 | length 5.4
  Top Layer w0.203: J24.36@256.54,241.3 257.81,242.57 260.35,242.57 260.985,241.935 R298.1@261.137,241.935
C34_1: J31.37 R283.1 | length 2.2
  Top Layer w0.203: J31.37@116.84,243.84 118.58,243.84 R283.1@118.897,243.522
C34_2: J30.37 R284.1 | length 2.2
  Top Layer w0.203: J30.37@137.16,243.84 138.9,243.84 R284.1@139.217,243.522
C34_3: J29.37 R285.1 | length 2.2
  Top Layer w0.203: J29.37@157.48,243.84 159.22,243.84 R285.1@159.537,243.522
C34_4: J28.37 R286.1 | length 2.2
  Top Layer w0.203: J28.37@177.8,243.84 179.54,243.84 R286.1@179.857,243.522